# Altium PCB PCB_Thermal.PcbDoc
Units mil, origin at the board's own origin, x right, y up, seen from the top; angles counter-clockwise.
Board outline 8220 x 3460 mil, 2 copper layers (Top Layer, Bottom Layer); 53 components, 44 nets, 253 pads, 35 vias.
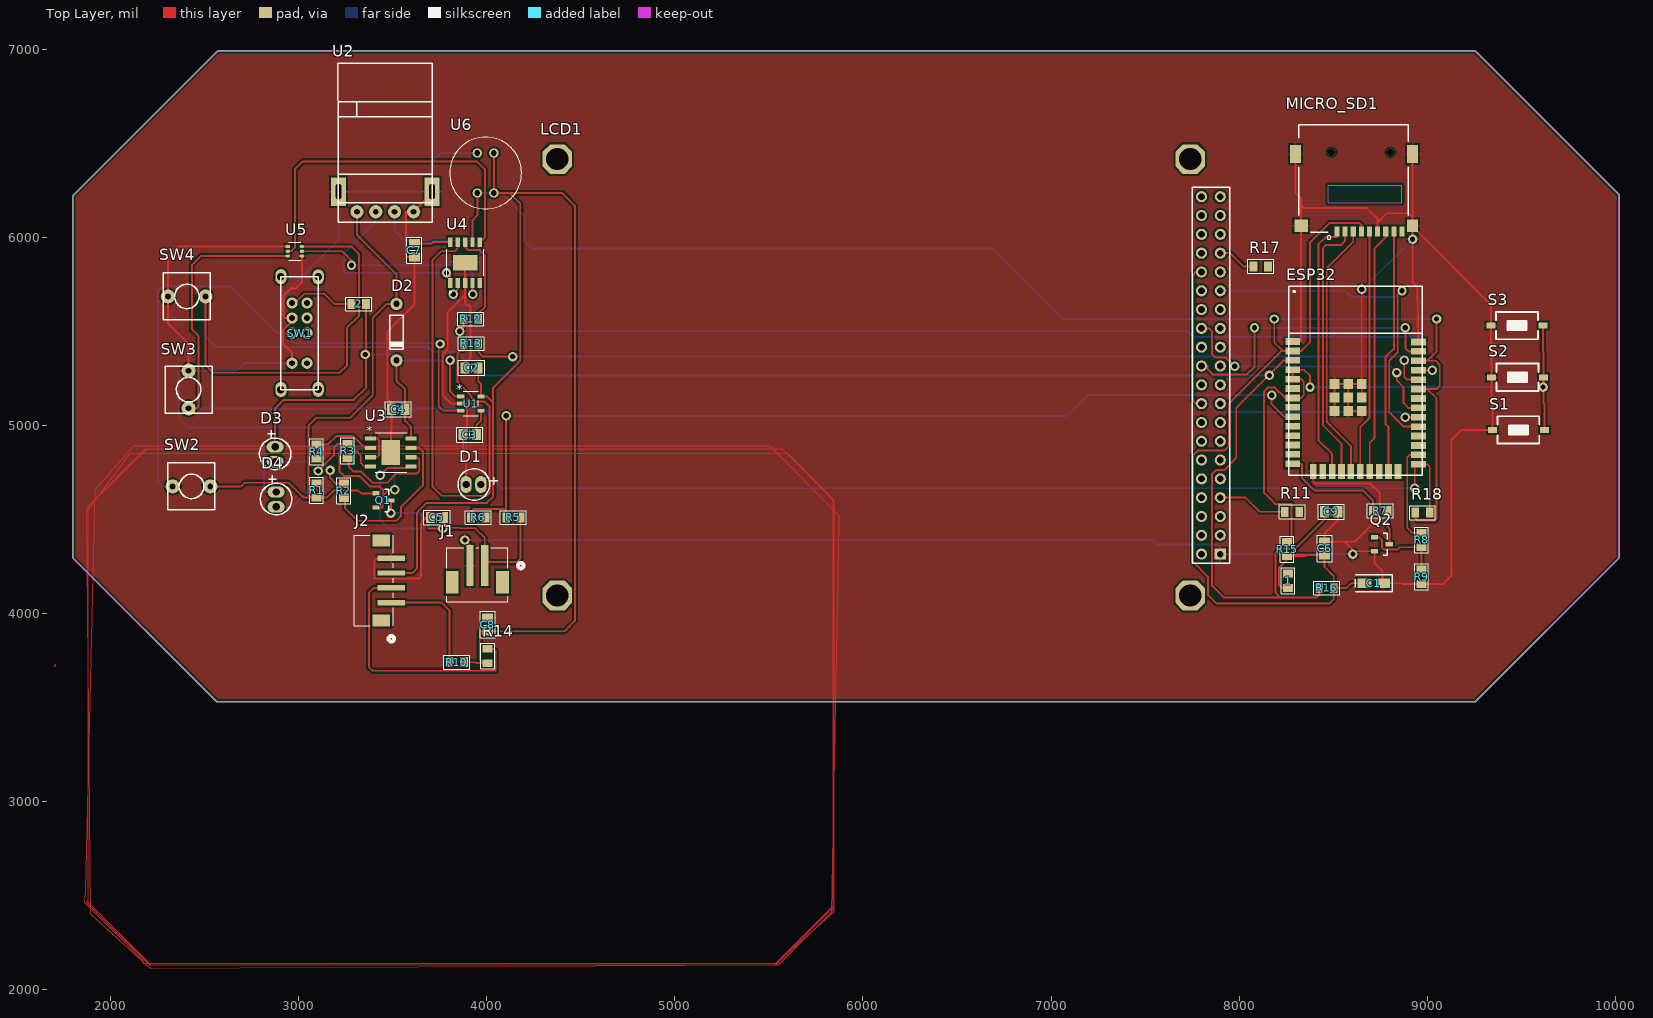
[diagram p0: Top Layer view]
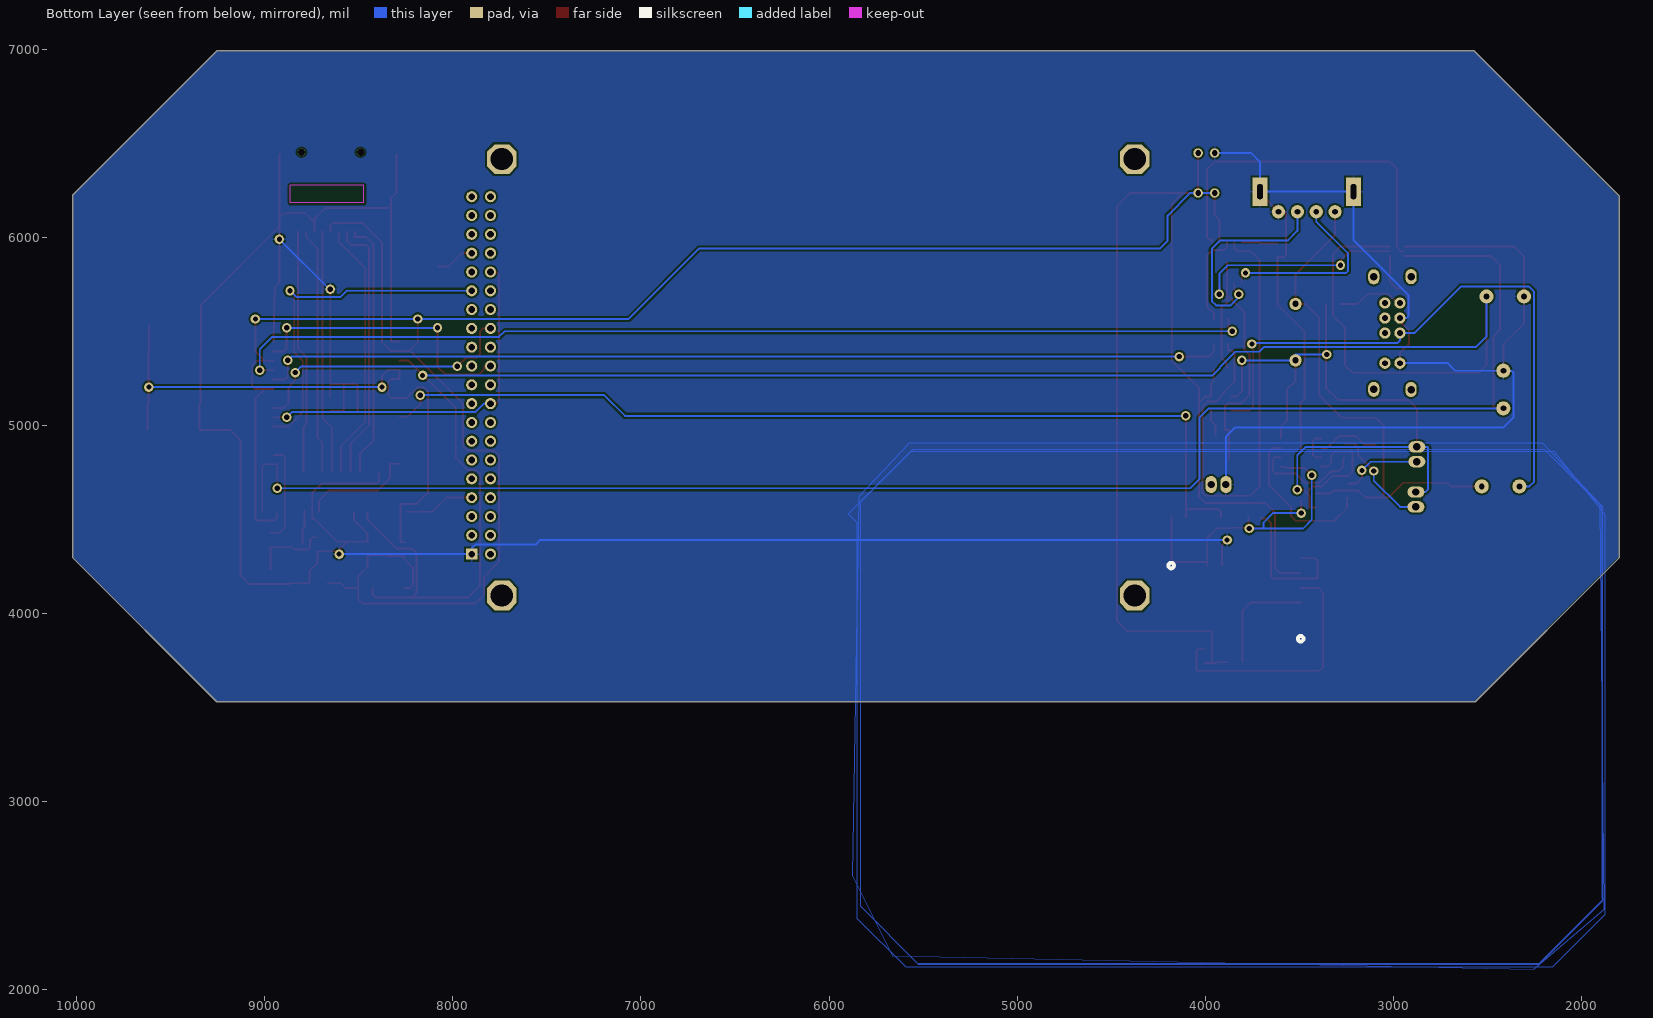
[diagram p1: Bottom Layer view, seen from below]

## Layer stack, top to bottom
Top Solder: solder mask 0.4, Solder Resist, Dk 3.5
Top Layer: signal copper 1.4
Dielectric 1: dielectric 12.6, FR-4, Dk 4.8
Bottom Layer: signal copper 1.4
Bottom Solder: solder mask 0.4, Solder Resist, Dk 3.5

## Board outline
2565,3530 1800,4295 1800,6220 2570,6990 9255,6990 10020,6225 10020,4295 9255,3530

## Design rules (kind name [scope] priority, off if disabled: settings)
Clearance [All] p1: gap=10 ignorepadtopadclearanceinfootprint=FALSE
PolygonConnect [All] p1: connectstyle=Relief reliefconductorwidth=10 reliefentries=4 polygonreliefangle="90 Angle" airgapwidth=10
RoutingVias [All] p1: holewidth=28 width=50 viastyle="Through Hole" minholewidth=28 minwidth=50 maxholewidth=28 maxwidth=50
SolderMaskExpansion [All] p1: expansion=4 istentingtop=FALSE
SupplyNets "Schematic Supply Nets_1" [InNet('+5')] p1: voltage=0.000
SupplyNets "Schematic Supply Nets" [InNet('GND')] p2: voltage=0.000
Width [All] p1: maxlimit=10 minlimit=10 preferedwidth=10
30 further rules are at their usual default settings.

## Classes and differential pairs
component class "U_USB Input": C4 D2 Q1 R1 U2
component class "U_TFT Display": D5 LCD1 R11 R17
component class "U_SD card": C8 MICRO_SD1
component class "U_Regulator 3.3V": 1 C1 C2 C3 D1 U1
component class "U_Programming Circuit": C6 C7 R12 R13 U4
component class "U_On-Off Switch": 2 SW1
component class "U_Navigation switches": R15 S1 S2 S3
component class "U_MLX Sensor": U6
component class "U_Ecternal I2C": J2 R10 R14
component class "U_Battery Voltaege Sense": R5 R6
component class "U_Battery Charging": C5 D3 D4 J1 R2 R3 R4 U3
component class "U_Backlight Control": Q2 R7 R8 R9
component class "U_Auto Reset Circuit": U5
component class ESP32: C9 ESP32 R16 R18 SW2 SW3 SW4

## Components (designator, comment, footprint, x,y, rotation, side; value= is the part's Value field where it differs from the comment)
1 "470" "R 0805" 8260,4173.39 r270 top
2 "100K" "R 0805" 3320,5645 r0 top
C1 "2.2uF" "C SMD TAN 1206 (A)" 8715,4160 r0 top
C2 "10uF" "C 0805" 3919.57,5305 r180 top
C3 "470pF" "C 0805" 3909.57,4950 r180 top
C4 "10u" "C 0805" 3530,5085 r180 top
C5 "10uF" "C 0805" 3735.43,4510 r180 top
C6 "0.1uF" "C 0805" 8455,4345.43 r270 top
C7 "0.1uF" "C 0805" 3615,5930 r90 top
C8 "0.1uF" "C 0805" 4005,3940 r90 top
C9 "0.1uF" "C 0805" 8489.57,4540 r0 top
D1 "LED" CAP10UF 3890,4685 r0 top
D2 "Diode" "DO-35 (SOD27 )" 3520,5645 r270 top
D3 "LED" CAP10UF 2875,4806.26 r90 top
D4 "LED" CAP10UF 2880,4566.26 r90 top
ESP32 "ESP32" ESP_WROOM_32 8619.37,5112.32 r0 top
J1 "B2B-PH-SM4-TBLFSN" CONN_B2B-PH-SM4-TBLFSN_JST 3950,4205 r180 top
J2 "B4B-PH-SM4-TBLFSN" CONN_B4B-PH-SM4-TB_JST 3400,4175 r90 top
LCD1 "LCD TFT 3.2\"" "LCD TFT 3.2\"" 7900,4315 r90 top
MICRO_SD1 "TF-01A" TF-01A 8607.87,6312.43 r180 top
Q1 "Mosfet P" SOT-23 3450.63,4600 r0 top
Q2 "Transistor NPN" SOT-23 8759.37,4367.4 r0 top
R1 "100K" "R 0805" 3095,4653.39 r270 top
R2 "1.3K" "R 0805" 3240,4651.61 r270 top
R3 "1.3K" "R 0805" 3260,4863.39 r270 top
R4 "3.3K" "R 0805" 3095,4860 r90 top
R5 "100K" "R 0805" 4141.61,4510 r0 top
R6 "100K" "R 0805" 3955,4510 r180 top
R7 "10" "R 0805" 8750,4545 r180 top
R8 "1K" "R 0805" 8970,4390 r270 top
R9 "10K" "R 0805" 8970,4195 r90 top
R10 "4.7K" "R 0805" 3840,3740 r180 top
R11 "10K" "R 0805" 8281.61,4540 r180 top
R12 "1K" "R 0805" 3915,5565 r0 top
R13 "1K" "R 0805" 3916.61,5435 r180 top
R14 "4.7K" "R 0805" 4005,3773.39 r90 top
R15 "4.7K" "R 0805" 8255,4341.61 r90 top
R16 "10K" "R 0805" 8465,4135 r0 top
R17 "10K" "R 0805" 8115,5845 r180 top
R18 "10K" "R 0805" 8975,4535 r180 top
S1 "SW-SMD" SW-SMD 9485,4975 r180 top
S2 "SW-SMD" SW-SMD 9480,5255 r180 top
S3 "SW-SMD" SW-SMD 9477.2,5530 r180 top
SW1 "Switch 3x2" SW3X2 2965,5490 r270 top value="Switch 4x2"
SW2 "SW" SW2 2530,4675 r180 top value="SW chip 2 pin"
SW3 "SW" SW2 2415,5090 r90 top value="SW chip 2 pin"
SW4 "SW" SW2 2505,5685 r180 top value="SW chip 2 pin"
U1 "MIC5219-3.3YM5-TR" SOT-23-5_M5_MCH 3915,5115 r0 top
U2 "USB-A Through-Hole" USB-A 3310,6135 r0 top
U3 "TP4056" ESOP8_TPW 3490,4855 r0 top
U4 "CH340K" SOP100P600X160-11N 3885,5865 r90 top
U5 "2N7002DW-7-F" SOT-363_DIO 2980,5925 r0 top
U6 "MLX90640ESF-BAB-000-SP" MLX90640_MEL 4037.99,6235 r180 top

## Footprints (in the part's own frame and the unit in brackets; to place one, negate y for a bottom-side part, rotate by r counter-clockwise, add the part's x,y. Pads: shape width x height; smd on the part's side, far side on the other; paste and mask are expansions set on the pad)
"C 0805" [mm] "Chip Capacitor, 2-Leads, Body 2.0x1.3mm, IPC Medium Density"
  rect 1.2x1.5 smd: 1(-0.9,0) 2(0.9,0)
  silkscreen extent -1.78,-1 1.78,1, body extent -1,-0.64 1,0.61, height 0.6
"C SMD TAN 1206 (A)" [mm] "Molded Capacitor, 2-Leads, Body 3.2x1.6mm, IPC Medium Density"
  rect 1.95x1.3 smd: 1(-1.225,0) 2(1.225,0)
  silkscreen extent -2.5,-1.14 2.54,1.14, body extent -2.4,-0.9 2.4,0.9, height 1.8
CAP10UF [mil]
  oval 60x90 hole 39.37 unplated: 1(78.74,0) 2(0,0)
  silkscreen extent -42,-84 167,84
CONN_B2B-PH-SM4-TBLFSN_JST [mil]
  rect 39x217 smd paste+0 mask+0: 1(-39.37,-49.01) 2(39.37,-49.01)
  rect 67x122 smd paste-61 mask-61: 3(-133.86,39.57) 4(133.86,39.57)
  silkscreen extent -246,-143 162,143
CONN_B4B-PH-SM4-TB_JST [mil]
  rect 28x146 smd paste+0 mask+0: 1(-118.11,-92.61) 2(-39.37,-92.61) 3(39.37,-92.61) 4(118.11,-92.61)
  rect 63x94 smd paste-47 mask-47: 5(-212.6,-39.3) 6(212.6,-39.3)
  silkscreen extent -325,-108 240,104
"DO-35 (SOD27 )" [mil]
  round 65 hole 34: 1(0,0) 2(300,0)
  silkscreen extent 60,-35 240,35, body extent -11,-38 311,38, height 78
ESOP8_TPW [mil]
  rect 57.5x22 smd paste+0 mask+0: 1(-107.25,75) 2(-107.25,25) 3(-107.25,-25) 4(-107.25,-75) 5(107.25,-75) 6(107.25,-25) 7(107.25,25) 8(107.25,75)
  rect 99x134 smd paste-66.5 mask+0: 9(0,0)
  silkscreen extent -84,-105 84,105, body extent -122,-100 122,100, height 69
ESP_WROOM_32 [mm]
  rect 2x0.9 smd: 1(-8.5,8.45) 2(-8.5,7.18) 3(-8.5,5.91) 4(-8.5,4.64) 5(-8.5,3.37) 6(-8.5,2.1) 7(-8.5,0.83) 8(-8.5,-0.44) 9(-8.5,-1.71) 10(-8.5,-2.98) 11(-8.5,-4.25) 12(-8.5,-5.52) 13(-8.5,-6.79) 14(-8.5,-8.06) 25(8.49,-8.12) 26(8.49,-6.85) 27(8.49,-5.58) 28(8.49,-4.31) 29(8.49,-3.04) 30(8.49,-1.77) 31(8.49,-0.5) 32(8.49,0.77) 33(8.49,2.04) 34(8.49,3.31) 35(8.49,4.58) 36(8.49,5.85) 37(8.49,7.12) 38(8.49,8.39)
  rect 0.9x2 smd: 15(-5.715,-9.09) 16(-4.445,-9.09) 17(-3.175,-9.09) 18(-1.905,-9.09) 19(-0.635,-9.09) 20(0.635,-9.09) 21(1.905,-9.09) 22(3.175,-9.09) 23(4.445,-9.09) 24(5.715,-9.09)
  rect 1.33x1.33 smd: 39(-2.835,-0.935) 39(-2.835,0.9) 39(-2.835,2.735) 39(-1,-0.935) 39(-1,0.9) 39(-1,2.735) 39(0.835,-0.935) 39(0.835,0.9) 39(0.835,2.735)
  silkscreen extent -9,-9.6 9,15.9, body extent -9.02,-9.62 9.05,15.92, height 3
"LCD TFT 3.2\"" [mm]
  rect 1.5x1.5 hole 0.9: 1(0,0)
  round 1.5 hole 0.9: 2(2.54,0) 3(5.08,0) 4(7.62,0) 5(10.16,0) 6(12.7,0) 7(15.24,0) 8(17.78,0) 9(20.32,0) 10(22.86,0) 11(25.4,0) 12(27.94,0) 13(30.48,0) 14(33.02,0) 15(35.56,0) 16(38.1,0) 17(40.64,0) 18(43.18,0) 19(45.72,0) 20(48.26,0) 21(0,2.54) 22(2.54,2.54) 23(5.08,2.54) 24(7.62,2.54) 25(10.16,2.54) 26(12.7,2.54) 27(15.24,2.54) 28(17.78,2.54) 29(20.32,2.54) 30(22.86,2.54) 31(25.4,2.54) 32(27.94,2.54) 33(30.48,2.54) 34(33.02,2.54) 35(35.56,2.54) 36(38.1,2.54) 37(40.64,2.54) 38(43.18,2.54) 39(45.72,2.54) 40(48.26,2.54)
  oct 4x4 hole 3: ""(-5.588,89.535) ""(-5.588,4.064) ""(53.34,4.064) ""(53.34,89.535)
  silkscreen extent -1.27,-1.27 49.53,3.81, body extent -8.12,-1.91 55.88,92.09, height 14.35
MLX90640_MEL [mil]
  round 50 / inner round 60 / far side round 50 hole 30 paste-99999 mask+0: 1(0,0) 2(87.99,0) 3(87.99,-212.42) 4(0,-212.42)
  silkscreen extent -147,-297 235,85, body extent -142,-292 230,80, height 455
"R 0805" [mm] "Chip Resistor, 2-Leads, Body 2.0x1.3mm, IPC Medium Density"
  rect 1.05x1.35 smd: 1(-0.975,0) 2(0.975,0)
  silkscreen extent -1.75,-0.93 1.75,0.93, body extent -1,-0.61 1,0.59, height 0.5
SOP100P600X160-11N [mm]
  rect 2.1x3.3 smd paste-3: 0(0,0)
  rect 1.31x0.6 smd: 1(-2.75,2) 2(-2.75,1) 3(-2.75,0) 4(-2.75,-1) 5(-2.75,-2) 6(2.75,-2) 7(2.75,-1) 8(2.75,0) 9(2.75,1) 10(2.75,2)
  silkscreen extent -4.1,-2.5 1.78,2.5
SOT-23 [mm] "SOT23, 3-Leads, Body 3.0x2.5mm (max), Pitch 0.95mm, IPC Medium Density"
  rect 1x0.6 smd: 1(-1,0.95) 2(-1,-0.95) 3(1,0)
  silkscreen extent 0.2,-1.5 0.7,1.5, body extent -1.28,-1.46 1.27,1.46, height 0.95
SOT-23-5_M5_MCH [mil]
  rect 38.5x20 smd paste+0 mask+0: 1(-53.75,37.4) 2(-53.75,0) 3(-53.75,-37.4) 4(53.75,-37.4) 5(53.75,37.4)
  silkscreen extent -40,-64 40,64, body extent -59,-59 59,59, height 51
SOT-363_DIO [mm]
  rect 0.6x0.42 smd paste+0 mask+0: 1(-0.95,0.65)
  oval 0.6x0.42 smd paste+0 mask+0: 2(-0.95,0) 3(-0.95,-0.65) 4(0.95,-0.65) 5(0.95,0) 6(0.95,0.65)
  silkscreen extent -0.8,-1.23 0.8,1.23, body extent -0.9,-1.1 0.9,1.1, height 1
SW2 [mil] "SW button 2pin, 250x 250 mil"
  round 75 hole 31: 1(0,0) 2(200,0)
  silkscreen extent -25,-125 225,125, body extent -60,-163 255,157, height 257
SW3X2 [mil] "Switch 3x2 - pin to pin 80"
  oval 80x60 hole 40: 0(-300,-59) 0(-299,139) 0(299,139) 0(300,-59)
  round 60 hole 31: 1(0,0) 2(-160,0) 3(-80,0) 4(160,0) 5(0,80) 6(-160,80) 7(-80,80) 8(160,80)
  silkscreen extent -300,-60 300,140
SW-SMD [mm] "Switch SMD type"
  rect 1.2x0.8 smd: 1(-3.5,0) 2(3.5,0)
  silkscreen extent -2.82,-1.85 2.82,1.85, body extent -3.05,-1.85 3.05,1.85, height 2.5
TF-01A [mm]
  rect 0.7x1.3 smd: 1(2.23,7.174) 2(1.13,7.174) 3(0.03,7.174) 4(-1.07,7.174) 5(-2.17,7.174) 6(-3.27,7.174) 7(-4.37,7.174) 8(-5.47,7.174) CD1(-6.57,7.174)
  rect 1.448x1.651 smd: MP1(-7.989,6.4)
  rect 1.448x2.438 smd: MP2(-7.989,-3.3) MP3(7.836,-3.3)
  rect 1.854x1.651 smd: MP4(7.061,6.4)
  round 1 hole 1 unplated: ""(-5.004,-3.531) ""(2.972,-3.531)
  Keep-Out Layer lines w0.127: 3.429,3.302 -6.528,3.302 -6.528,0.94 3.429,0.94 3.429,3.302
  silkscreen extent -7.4,-7.26 7.4,8.24, body extent -7.05,-4.01 9.05,11.19, height 2
USB-A [mil]
  round 70 hole 31: 1(0,0) 2(100,0) 3(200,0) 4(301,0)
  rect 80x150 hole 31 slot 80 at 90 deg: 5(-98,107) 6(399,107)
  silkscreen extent -101,-57 401,790, body extent -97,0 399,784, height 177

## Part data
1 2 R1 R2 R3 R4 R5 R6 R7 R8 R9 R10 R11 R12 R13 R14 R15 R16 R17 R18: library part Resistor, "Resistor"
C1: library part Capacitor, "Capacitor pol"
C2 C3 C4 C5 C6 C7 C8 C9: library part "Capacitor NP", "Capacitor non-pol"
D2: "Default Diode"
ESP32: library part ESP-WROOM-32
J1 J2: "No Description Available", Mfr_Name=JST, RefDes=RefDes, TYPE=Type
LCD1: "LCD TFT"
MICRO_SD1: "Standard Card Edge Connectors", PACKAGE=Package, Availability="Not in stock", Check_prices=https://www.snapeda.com/parts/TF-01A/HRO+Electronics+Co.%252C+Ltd./view-part/?ref=eda, MF="HRO Electronics Co., Ltd.", MP=TF-01A, Price=None, SnapEDA_Link=https://www.snapeda.com/parts/TF-01A/HRO+Electronics+Co.%252C+Ltd./view-part/?ref=snap
Q2: "NPN Bipolar Transistor"
S1 S2 S3: "Switch", LatestRevisionDate=17-Jul-2002, LatestRevisionNote="Re-released for DXP Platform.", PackageReference=SPST-2, Published=24-Mar-1999, Publisher="Altium Limited"
SW1: library part SW3x2
SW2 SW3 SW4: library part SW2, "Switch button 2 pin"
U1: "No Description Available", Mfr_Name=Microchip, RefDes=RefDes, TYPE=Type
U2: library part "USB-A TH"
U3: "No Description Available", Mfr_Name=TOPPOWER, RefDes=RefDes, TYPE=Type
U4: "USB to Serial Port Chip", PACKAGE=Package, Check_prices=https://www.snapeda.com/parts/CH340K/WCH/view-part/?ref=eda, MF=WCH, MP=CH340K, SnapEDA_Link=https://www.snapeda.com/parts/CH340K/WCH/view-part/?ref=snap
U5: "No Description Available", Mfr_Name="Diodes Inc", RefDes=RefDes, TYPE=Type
U6: "No Description Available", Mfr_Name=Melexis, RefDes=RefDes, TYPE=Type

## Via types
v1: diameter 50, hole 28, Top Layer to Bottom Layer, 35 vias

## Nets (pads, with @x,y where several pads share a name; then routed paths per layer and width w, separated by ;. In a path a pad name is that pad's centre, name@x,y a point inside that pad or via, vN(x,y) a via of type N, cw(c..) or ccw(c..) an arc to the next point about the centre after c; other vN are vias at no path point)
3.3V: 1.2 C1.1 C2.1 C6.2 C8.1 ESP32.2 ESP32.33 ESP32.36 J2.3 MICRO_SD1.4 R10.1 R14.1 R15.1 R16.2 R18.2 U1.5 U4.7 U6.1 U6.2 U6.4 | length 18271.5
  Top Layer w10: J2.3 3604.37,4214.37 3630,4240 3630,4537 3680,4587 4001,4587 4034,4620 4034,5120 ; R10.1 3939,3740 3944,3735 3978,3735 ; U4.7 3924.37,6091 3950,6116.63 U6.2 ; C2.1 3955,5234.75 3968.75,5221 U1.5 4001.6,5152.4 4034,5120 ; R14.1 3978,3735 ; U6.4 U6.1 4120,6235 ; v1(8187,5565) 8187,5440 8229,5398 ; R15.1 R15.1@8273.23,4303.23 ; 1.2 8228,4135 8213,4150 8213,4243 R15.1@8273.23,4303.23 ; MICRO_SD1.4 8650,6065 8640,6075 8480,6075 8376,5971 8376,5440 8331,5395 ESP32.2 ; C1.1 8597,4160 8572,4135 R16.2 ; R18.2 8936.61,4506.39 8950,4493 9040,4493 9050,4503 9050,5142.64 9000,5192.64 ; ESP32.33 9000,5192.64 ; ESP32.36 9000,5342.64 ; v1(9050,5565) 9050,5392.64 9000,5342.64 ; 3978,3735 3963,3750 3963,3904.57 C8.1 4413.57,3904.57 4469,3960 4469,6166 4400,6235 4120,6235 ; 4034,5120 4034,5199 4178,5343 4178,6177 4120,6235 ; 8229,5398 8232,5395 ESP32.2 ; 8229,5398 7947,5116 7947,4892 7920,4865 7780,4865 7755,4840 7755,4274 7834,4195 7834,4098 7880,4052 8480,4052 8503.39,4075.39 R16.2 ; 8229,5398 ESP32.2 ; R15.1@8273.23,4303.23 8280,4310 8357.77,4310 ; R15.1@8273.23,4303.23 8351,4303.23 8357.77,4310 ; 8357.77,4310 C6.2 8455,4246.39 8503.39,4198 R16.2 ; 9000,5192.64 9050,5192.64 9067,5209.64 9067,5320 9044.36,5342.64 9000,5342.64
  Bottom Layer w10: U6.2 U6.1 4080,6235 4200,6115 4200,5980 4240,5940 6690,5940 7065,5565 v1(8187,5565) v1(9050,5565)
+5: D2.1 Q1.1 R1.2 SW2.1 U2.1 | length 2887.2
  Top Layer w10: SW2.1 2695,4675 2714,4694 2948,4694 3027,4615 3068,4615 ; U2.1 3310,6014 3520,5804 D2.1 3468,5645 3394,5571 3394,5160 3274,5040 3093,5040 3053,5000 3053,4630 3068,4615 ; Q1.1 3332.6,4637.4 3317,4653 3186,4653 3148,4615 R1.2 3068,4615
+BATT: C5.1 J1.1 Q1.3 R5.2 U3.5 | length 2028.1
  Top Layer w10: v1(3434,4734) 3473,4773 3557,4773 U3.5 ; v1(3490,4533) Q1.3 ; 3690,4451 v1(3766,4451) v1@3770.87,4455.87 ; C5.1 v1@3770.87,4455.87 ; J1.1 J1.1@3989.37,4272 ; R5.2 4180,4292 4160,4272 J1.1@3989.37,4272 ; v1@3770.87,4455.87 3939.51,4451 3989.37,4401.14 J1.1@3989.37,4272
  Bottom Layer w10: v1(3434,4734) 3434,4497 3480,4451 3690,4451 ; v1(3490,4533) 3640,4533 3690,4483 3690,4451 ; v1(3766,4451) 3690,4451
ADC_BAT: ESP32.9 R5.1 R6.2 | length 5071.1
  Top Layer w10: R6.2 3916.61,4540.61 3930,4554 4090,4554 4103.23,4540.77 ; R5.1 4103.23,4540.77 ; v1(4103.23,5050) 4103.23,4540.77 ; v1(8173,5160) 8173,5112 8240,5045 ESP32.9
  Bottom Layer w10: v1(4103.23,5050) 7085,5050 7195,5160 v1(8173,5160)
CLK: ESP32.20 MICRO_SD1.5 | length 1296.8
  Top Layer w10: ESP32.20 8644.37,4990.37 8694,5040 8694,6018 8693.31,6018 MICRO_SD1.5
CMD: ESP32.19 MICRO_SD1.3 | length 1387
  Top Layer w10: ESP32.19 8594.37,4889.63 8466,5018 8466,5835 8606.69,5975.69 MICRO_SD1.3
D+: U2.2 U4.1 | length 1001.8
  Top Layer w10: v1(3786,5810) 3796.26,5810 3806.26,5800 U4.1
  Bottom Layer w10: U2.2 3410,6083 3241,5914 3241,5820 3251,5810 v1(3786,5810)
D-: U2.3 U4.2 | length 1131.2
  Top Layer w10: v1(3822,5696) 3822,5696.37 3845.63,5720 U4.2
  Bottom Layer w10: U2.3 3510,6033 3560,5983 3920,5983 3965,5938 3965,5660 3942,5637 3865,5637 3822,5680 v1(3822,5696)
DTR: U4.4 U5.5 | length 1141.6
  Top Layer w10: U5.5 3230.5,5925 3281,5874.5 v1(3281,5850.52) ; U4.4 3924.37,5696.63 v1(3925,5696)
  Bottom Layer w10: v1(3281,5850.52) 3880,5850.52 3925,5805.52 v1(3925,5696)
EN: C9.1 ESP32.3 R16.1 SW4.1 U5.6 | length 10740.2
  Top Layer w10: SW4.1 2505,5320 2546,5279 3217,5279 3258,5320 3258,5520 3321,5583 3321,5910 3280.41,5950.59 U5.6 ; v1(8161,5265) v1@8161,5268 ; ESP32.3 8238,5345 v1@8161,5268 ; R16.1 8426.61,4100 8410.61,4084 8220,4084 ; C9.1 8454.13,4500 8298.13,4344 8217,4344 8193,4320 8193,4111 8220,4084 ; v1@8161,5268 7985,5092 7985,4827 7920,4762 7877,4762 7855,4740 7855,4149 7920,4084 8220,4084
  Bottom Layer w10: SW4.1 2505,5471.35 2560,5416.35 3686.81,5416.35 3712.1,5391.07 3840.83,5391.07 3920,5311.9 3920,5305 3960,5265 v1(8161,5265)
GND: C1.2 C2.2 C3.2 C4.2 C5.2 C6.1 C7.1 C8.2 C9.2 D1.2 ESP32.1 ESP32.15 ESP32.38 ESP32.39 J1.2 J2.4 LCD1.1 MICRO_SD1.6 MICRO_SD1.MP1 MICRO_SD1.MP2 MICRO_SD1.MP3 MICRO_SD1.MP4 Q2.2 R1.1 R4.1 R6.1 R9.1 S1.2 S2.2 S3.2 SW1.3 SW1.4 SW3.2 SW4.2 U1.2 U2.4 U2.5 U2.6 U3.1 U3.3 U3.9 U4.0 U4.3 U5.1 U5.4 U6.3 | length 24022
  Top Layer w10: SW3.2 2415,5432 2305,5542 SW4.2 2305,5895.59 2360,5950.59 U5.1 ; SW1.4 2965,5385 2916,5434 2916,5505 2965,5554 SW1.3 2930,5570 2920,5580 2920,5688 2960,5728 2985,5728 3017,5760 3017,5899.41 U5.4 ; U3.3 3417,4830 3427,4840 3427,4920 3417,4930 U3.1 ; U3.9 3490,4967 3494.57,4971.57 C4.2 3494.57,5117.43 3472,5140 3472,5497 3615,5640 C7.1 3580,5894.57 3570,5904.57 3570,6135 U2.4 3611,6139 3709,6237 U2.6 ; J2.4 3417.11,4293.11 3404,4280 3404,4185 3640,4185 3650,4195 3650,4480 3674,4504 3700,4504 C5.2 ; v1(3884,4390) 3910.63,4363.37 J1.2 ; C2.2 3889,5335 3914,5360 3914,5631 3885,5648.93 3885,5693.93 ; U4.0 U4.3 3885,5693.93 ; D1.2 3890,4809 3874.13,4824.87 C3.2 3874.13,4975 3896,4975 3896,5100 3881,5115 U1.2 3810,5115 3765,5160 3765,5376.07 3792.1,5403.17 3792.1,5601.03 3885,5693.93 ; ESP32.1 8329.87,5445 MICRO_SD1.MP4 8329.87,6169.49 ; MICRO_SD1.MP3 8299.35,6236.65 8329.87,6206.13 8329.87,6169.49 ; ESP32.15 8394.37,4700 8404.37,4690 8698,4690 8748,4640 8748,4503 8737,4503 8614.87,4380.87 8562,4380.87 ; ESP32.39@8507.76,5075.51 8507.76,5147.76 8507.76,5220 ESP32.39@8580,5220 ; C9.2 8525,4495 8455,4425 C6.1 8562,4380.87 ; v1(8605,4315) v1@8620,4330 ; ESP32.39@8652.24,5075.51 8580,5075.51 8580,5147.76 ESP32.39@8580,5220 ; ESP32.39@8652.24,5147.76 ESP32.39@8652.24,5220 ; v1(8652.24,5723) ESP32.39@8652.24,5220 ; MICRO_SD1.6 8736.61,6080 ; MICRO_SD1.MP2 8922.38,6251 8922.38,6104.62 ; ESP32.38 8947.38,5735 8922.38,5760 v1(8922.38,5989.38) MICRO_SD1.MP1@8922.38,6056.62 ; 8329.87,6169.49 8345.01,6154.34 8680,6154.34 8736.61,6097.73 8736.61,6080 ; 8562,4380.87 8612.87,4330 v1@8620,4330 ; ESP32.39@8580,5220 ESP32.39@8652.24,5220 ; v1@8620,4330 Q2.2 8720,4266.23 8763.23,4223 C1.2 8864,4160 8867.39,4156.61 R9.1 9085.61,4156.61 9129,4200 9129,4920 9184,4975 S1.2 9347.2,5112 9342.2,5117 S2.2 9342.2,5391 9339.41,5393.8 S3.2 9339,5530 9339,5640 MICRO_SD1.MP1@8922.38,6056.62 ; 8736.61,6080 8783.61,6127 8900,6127 8922.38,6104.62 ; MICRO_SD1.MP1@8922.38,6056.62 MICRO_SD1.MP1 8922.38,6104.62
  Bottom Layer w10: SW1.4 2710,5330 2670,5290 SW3.2 2372,5290 2362,5280 2362,5040 2413,4989 3840,4989 3890,4939 D1.2 ; SW1.3 2930,5570 2920,5580 2920,5694 3212,5986 U2.5 U2.6 3709,6400 3756.42,6447.42 U6.3 ; v1(3884,4390) 7535,4390 7560,4365 7880,4365 7900,4345 LCD1.1 v1(8605,4315) ; v1(8652.24,5723) 8656,5723 v1(8922.38,5989.38)
IO0: ESP32.25 R18.1 SW3.1 U5.3 | length 8696.4
  Top Layer w10: SW3.1 2458,5090 2468,5100 2468,5474 2433,5509 2433,5852.41 2480,5899.41 U5.3 ; v1(8934,4665) 8934,4792.64 ESP32.25 9000.75,4792.64 9013.39,4780 R18.1
  Bottom Layer w10: SW3.1 3981,5090 4031,5040 4031,4714 4080,4665 v1(8934,4665)
IO4: ESP32.26 R8.1 | length 527.2
  Top Layer w10: ESP32.26 8906.64,4842.64 8894,4830 8894,4454.39 8920,4428.39 R8.1
IO5: ESP32.29 LCD1.15 | length 1858.6
  Top Layer w10: v1(8866,5715) 8858.23,5715 8843.23,5700 8843.23,5389.23 8798,5344 8798,5070 8875.36,4992.64 ESP32.29
  Bottom Layer w10: LCD1.15 8563.28,5715 8596.18,5682.1 8833.1,5682.1 v1(8866,5715)
IO12: ESP32.14 R7.2 | length 606.6
  Top Layer w10: ESP32.14 8334,4795 8334,4720 8400,4654 8657.61,4654 8711.61,4600 R7.2
IO18: ESP32.30 LCD1.29 LCD1.36 | length 1956
  Top Layer w10: LCD1.29 7770,5115 7755,5130 7755,5800 7770,5815 LCD1.36 ; v1(8883,5042.64) ESP32.30
  Bottom Layer w10: LCD1.29 7835,5115 7880,5070 8855.64,5070 v1(8883,5042.64)
IO19: ESP32.31 LCD1.33 | length 1472.3
  Top Layer w10: LCD1.33 7840,5515 7855,5500 7855,5380 7875,5360 7930,5360 v1(7977,5313) ; v1(8838,5280) 8838,5239 8874,5203 8874,5118.64 8900,5092.64 ESP32.31
  Bottom Layer w10: v1(7977,5313) 8805,5313 v1(8838,5280)
IO23: ESP32.37 LCD1.31 | length 1522.2
  Top Layer w10: LCD1.31 7833,5315 7833,5297 7860,5270 8040,5270 8082,5312 v1(8082,5518) ; v1(8884,5518) 8884,5408.64 8900,5392.64 ESP32.37
  Bottom Layer w10: v1(8082,5518) v1(8884,5518)
IO35: ESP32.4 ESP32.5 ESP32.7 R15.2 S1.1 S2.1 S3.1 | length 3386.9
  Top Layer w10: R15.2 8279,4380 8279,4582 8191,4582 8133,4640 8133,5180 8153,5200 8190,5200 8245,5145 ESP32.7 8330,5145 8344,5159 8344,5231 8330,5245 ESP32.5 ESP32.4 8344,5295 8377,5262 v1(8377,5203) ; S3.1 9615,5393.8 9617.8,5391 S2.1 ; v1(9616,5203) 9616,5255 S2.1 ; S1.1 9622.8,5112 9617.8,5117 S2.1
  Bottom Layer w10: v1(8377,5203) v1(9616,5203)
Net2_1: 2.1 SW1.2 | length 359.3
  Top Layer w10: SW1.2 2980,5650 3029,5699 3136,5699 3190,5645 2.1
NetC3_1: C3.1 U1.4 | length 137.4
  Top Layer w10: C3.1 3945,5001 3968.75,5024.75 U1.4
NetC7_2: C7.2 U4.10 | length 194.5
  Top Layer w10: C7.2 3706,5965.43 3713.84,5973.27 U4.10
NetD3_2: D3.2 R2.1 | length 436.6
  Top Layer w10: v1(3167,4760) 3167,4720 3197,4690 R2.1
  Bottom Layer w10: D3.2 3120.74,4806.26 v1(3167,4760)
NetD4_2: D4.2 R3.1 | length 572.3
  Top Layer w10: v1(3104,4757) 3187,4840 3187,4880 3208.77,4901.77 R3.1
  Bottom Layer w10: D4.2 2964.26,4566.26 3104,4706 v1(3104,4757)
NetJ2_1: J2.1 R10.2 | length 601.5
  Top Layer w10: J2.1 3760,4056.89 3801.61,4015.28 R10.2
NetJ2_2: J2.2 R14.2 | length 1357.8
  Top Layer w10: J2.2 3400,4135.63 3374,4109.63 3374,3714 3393,3695 4047,3695 4047,3800 4035.23,3811.77 R14.2
NetLCD1_4: LCD1.4 R11.2 | length 374.3
  Top Layer w10: LCD1.4 8034,4615 8109,4540 R11.2
NetLCD1_17: LCD1.17 R17.2 | length 205.6
  Top Layer w10: LCD1.17 7953,5915 8023,5845 R17.2
NetQ2_1: Q2.1 R8.2 R9.2 | length 423.3
  Top Layer w10: Q2.1 8744.2,4404.8 8759,4390 8759,4350 8769,4340 8843,4340 8854.61,4351.61 R8.2 R9.2
NetQ2_3: Q2.3 R7.1 | length 181.9
  Top Layer w10: R7.1 8788.39,4461.35 8798.74,4451 Q2.3
NetR2_2: R2.2 U3.7 | length 859.5
  Top Layer w10: R2.2 3246,4613.23 3246,4560 3313.73,4492.27 3520,4492.27 3544,4516.27 3544,4563 3661,4680 3661,4860 3641,4880 U3.7
NetR3_2: R3.2 U3.6 | length 599.8
  Top Layer w10: R3.2 3266,4825 3266,4780 3292,4754 3334,4754 3394,4694 3470,4694 3520,4744 3630,4744 3641,4755 3641,4820 3631,4830 U3.6
NetR4_2: R4.2 U3.2 | length 331.5
  Top Layer w10: R4.2 3155,4898.39 3198.61,4942 3290,4942 3352,4880 U3.2
NetR12_2: R12.2 U4.8 | length 502.9
  Top Layer w10: U4.8 3885,5947 3900,5932 3960,5932 3991,5901 3991,5630 3953.39,5592.39 R12.2
NetR13_2: R13.2 U4.9 | length 2644.4
  Top Layer w10: U4.9 3845.63,5940 3830.63,5925 3757,5925 3712,5880 3712,4673 3760,4625 4000,4625 4014,4639 4014,5100 3987,5127 3940,5127 3915,5152 3915,5160 3845,5230 3845,5383 3860,5398 3878.23,5398 R13.2
NetSW1_1: SW1.1 SW2.2 U1.3 | length 3224.7
  Top Layer w10: v1(3752,5432) 3745,5432 3745,5100 3767.4,5077.6 U1.3
  Bottom Layer w10: SW2.2 2277,4675 2252,4700 2252,5710 2280,5738 2640,5738 2888,5490 SW1.1 2965,5450 2978.65,5436.35 3747.65,5436.35 v1(3752,5432)
RTS: U4.6 U5.2 | length 1913.4
  Top Layer w10: U5.2 2960,5925 2980,5945 2980,6360 3023,6403 3947,6403 3990,6360 3990,5997 3980,5987 3963.74,5987 U4.6
RXD: ESP32.34 R13.1 | length 5155
  Top Layer w10: R13.1 3955,5390 3980,5365 v1(4138,5365) ; v1(8878,5345) 8878,5259 8894.36,5242.64 ESP32.34
  Bottom Layer w10: v1(4138,5365) 8858,5365 v1(8878,5345)
SD0: ESP32.21 MICRO_SD1.7 | length 1311
  Top Layer w10: ESP32.21 8694.37,4907.37 8720,4933 8720,5940.08 8779.92,6000 MICRO_SD1.7
SD1: ESP32.23 MICRO_SD1.8 | length 1301.1
  Top Layer w10: ESP32.23 8794.37,4990.63 8778,5007 8778,5360.63 8823.23,5405.86 MICRO_SD1.8
SD2: ESP32.17 MICRO_SD1.1 | length 1381.3
  Top Layer w10: ESP32.17 8494.37,4847.63 8422,4920 8422,5961.94 8460.06,6000 8520.08,6000 MICRO_SD1.1
SD3: ESP32.18 MICRO_SD1.2 | length 1412.6
  Top Layer w10: ESP32.18 8544.37,4901.63 8446,5000 8446,5944 8460,5958 8541.39,5958 8563.39,5980 MICRO_SD1.2
TXD: ESP32.35 R12.1 | length 5467.6
  Top Layer w10: v1(3856.61,5500) 3876.61,5520 R12.1 ; ESP32.35 v1(9027,5292.64)
  Bottom Layer w10: v1(3856.61,5500) 7725,5500 7755,5470 8960,5470 9027,5403 v1(9027,5292.64)
VBUS: 2.2 C4.1 D2.2 D3.1 D4.1 Q1.2 U1.1 U3.4 U3.8 | length 4352
  Top Layer w10: D3.1 2875,5090 2920,5135 3293.39,5135 3358.39,5200 3358.39,5371.61 v1(3354,5376) ; 2.2 v1@3358.39,5380.39 ; U3.4 3350,4780 3330,4800 3330,4840 3309,4861 3218,4861 3218,4753 3240,4731 3323,4731 3380,4674 3432,4674 3450,4656 3450,4627 ; Q1.2 3446,4562.6 3446,4623 3450,4627 ; v1(3511,4657) 3480,4657 3450,4627 ; D2.2 3520,5237.43 3565.43,5192 C4.1 3565.43,5022.82 3597.25,4991 U3.8 ; v1(3805,5345) 3805,5180 3832.6,5152.4 U1.1 ; v1(3354,5376) 3358.39,5376 v1@3358.39,5380.39 ; v1(3354,5376) v1@3358.39,5380.39
  Bottom Layer w10: D4.1 2830,4645 2815,4660 2815,4885 D3.1 3466,4885 3511,4840 v1(3511,4657) ; v1(3354,5376) 3520,5376 D2.2 v1(3805,5345)
pads on no net: 1.1 D1.1 ESP32.6 ESP32.8 ESP32.10 ESP32.11 ESP32.12 ESP32.13 ESP32.16 ESP32.22 ESP32.24 ESP32.27 ESP32.28 ESP32.32 J1.3 J1.4 J2.5 J2.6 LCD1. LCD1.2 LCD1.3 LCD1.5 LCD1.6 LCD1.7 LCD1.8 LCD1.9 LCD1.10 LCD1.11 LCD1.12 LCD1.13 LCD1.14 LCD1.16 LCD1.18 LCD1.19 LCD1.20 LCD1.21 LCD1.22 LCD1.23 LCD1.24 LCD1.25 LCD1.26 LCD1.27 LCD1.28 LCD1.30 LCD1.32 LCD1.34 LCD1.35 LCD1.37 LCD1.38 LCD1.39 LCD1.40 MICRO_SD1. MICRO_SD1.CD1 R11.1 R17.1 SW1.0 SW1.5 SW1.6 SW1.7 SW1.8 U4.5

## Polygon pours and split planes (outlines as drawn)
GND on Bottom Layer "GND_L02_P014" (solid, remove dead copper, pour order 14): 2570,6985 9255,6985 10015,6225 10015,4295 9255,3535 2570,3535 1810,4295 1805,4295 1805,6215
GND on Bottom Layer "NONET_L02_P012" (solid, remove dead copper, shelved, pour order 12): 2195,4870 5557.58,4870 5835,4592.58 5835,2445 5525,2135 2227.5,2135 1890,2472.5 1887.5,2472.5 1887.5,4562.5 1890,4565
GND on Bottom Layer "NONET_L02_P010" (solid, remove dead copper, shelved, pour order 10): 2195,4870 5555,4870 5835,4590 5835,2445 5525,2135 2225,2135 1887.5,2472.5 1887.5,4566.5 1900.41,4579.41
no net on Bottom Layer "NONET_L02_P007" (solid, shelved, pour order 7): 2195,4870 5555,4870 5835,4590 5835,2445 5525,2135 5520,2140 2220,2140 2220,2145 1885,2480 1890,2485 1890,4565
no net on Bottom Layer "NONET_L02_P005" (solid, shelved, pour order 5): 2144.66,4860 5567.58,4860 5897.58,4530 5852.58,4485 5852.58,2380 5592.58,2120 2152.58,2120 1872.58,2400 1872.58,4524.25
no net on Bottom Layer "NONET_L02_P000" (solid, shelved, pour order 0): 2205,4905 5574.41,4905 5841.06,4620.5 5877.5,2605.15 5663.43,2180.85 2253.73,2108.17 1878.03,2426.97 1900.41,4579.41
GND on Top Layer "GND_L01_P013" (solid, remove dead copper, pour order 13): 2570,6990 9255,6990 10020,6225 10020,4295 9255,3530 2565,3530 1800,4295 1800,6220
GND on Top Layer "NONET_L01_P011" (solid, remove dead copper, shelved, pour order 11): 2195,4875 5570,4875 5840,4605 5840,2420 5547.91,2127.91 2207.09,2127.91 2207.09,2137.91 1880,2465 1880,4570
GND on Top Layer "NONET_L01_P009" (solid, remove dead copper, shelved, pour order 9): 2195,4875 5570,4875 5840,4605 5840,2435 5532.91,2127.91 2207.09,2127.91 1870,2465 1880,2475 1880,4570
no net on Top Layer "NONET_L01_P006" (solid, shelved, pour order 6): 2185,4875 5570,4875 5840,4605 5840,2435 5832.68,2435 5525.59,2127.91 2217.09,2127.91 1880,2465 1880,4570
no net on Top Layer "NONET_L01_P003" (solid, shelved, pour order 3): 1705,3730 1705,3720 1700,3715
no net on Top Layer "NONET_L01_P002" (solid, shelved, pour order 2): 2105,4850 5600,4850 5845,4605 5845,2410 5525.59,2127.91 2212.47,2109.64 1895,2400 1873.64,4539.11
no net on Top Layer "NONET_L01_P001" (solid, shelved, pour order 1): 2122.65,4890 5505,4890 5872.5,4522.5 5871.42,4482.77 5832.5,2402.5 5822.5,2402.5 5552.5,2132.5 5547.5,2137.5 2172.5,2137.5 2172.5,2152.5 1862.5,2462.5 1867.77,2521.05 1917.5,4657.5

## Keep-outs
Top Layer:
  the board outline again, w10

## Text inside footprints (layer, text, board x,y; h text height)
U1: Top Overlay "*" at 3838.75,5167.4 h50; Mechanical 13 "*" at 3878,5124.4 h50
U3: Top Overlay "*" at 3360.25,4947 h50; Mechanical 13 "*" at 3414,4902 h50